# KiCad board panel_32x32_1515_r0.1.kicad_pcb
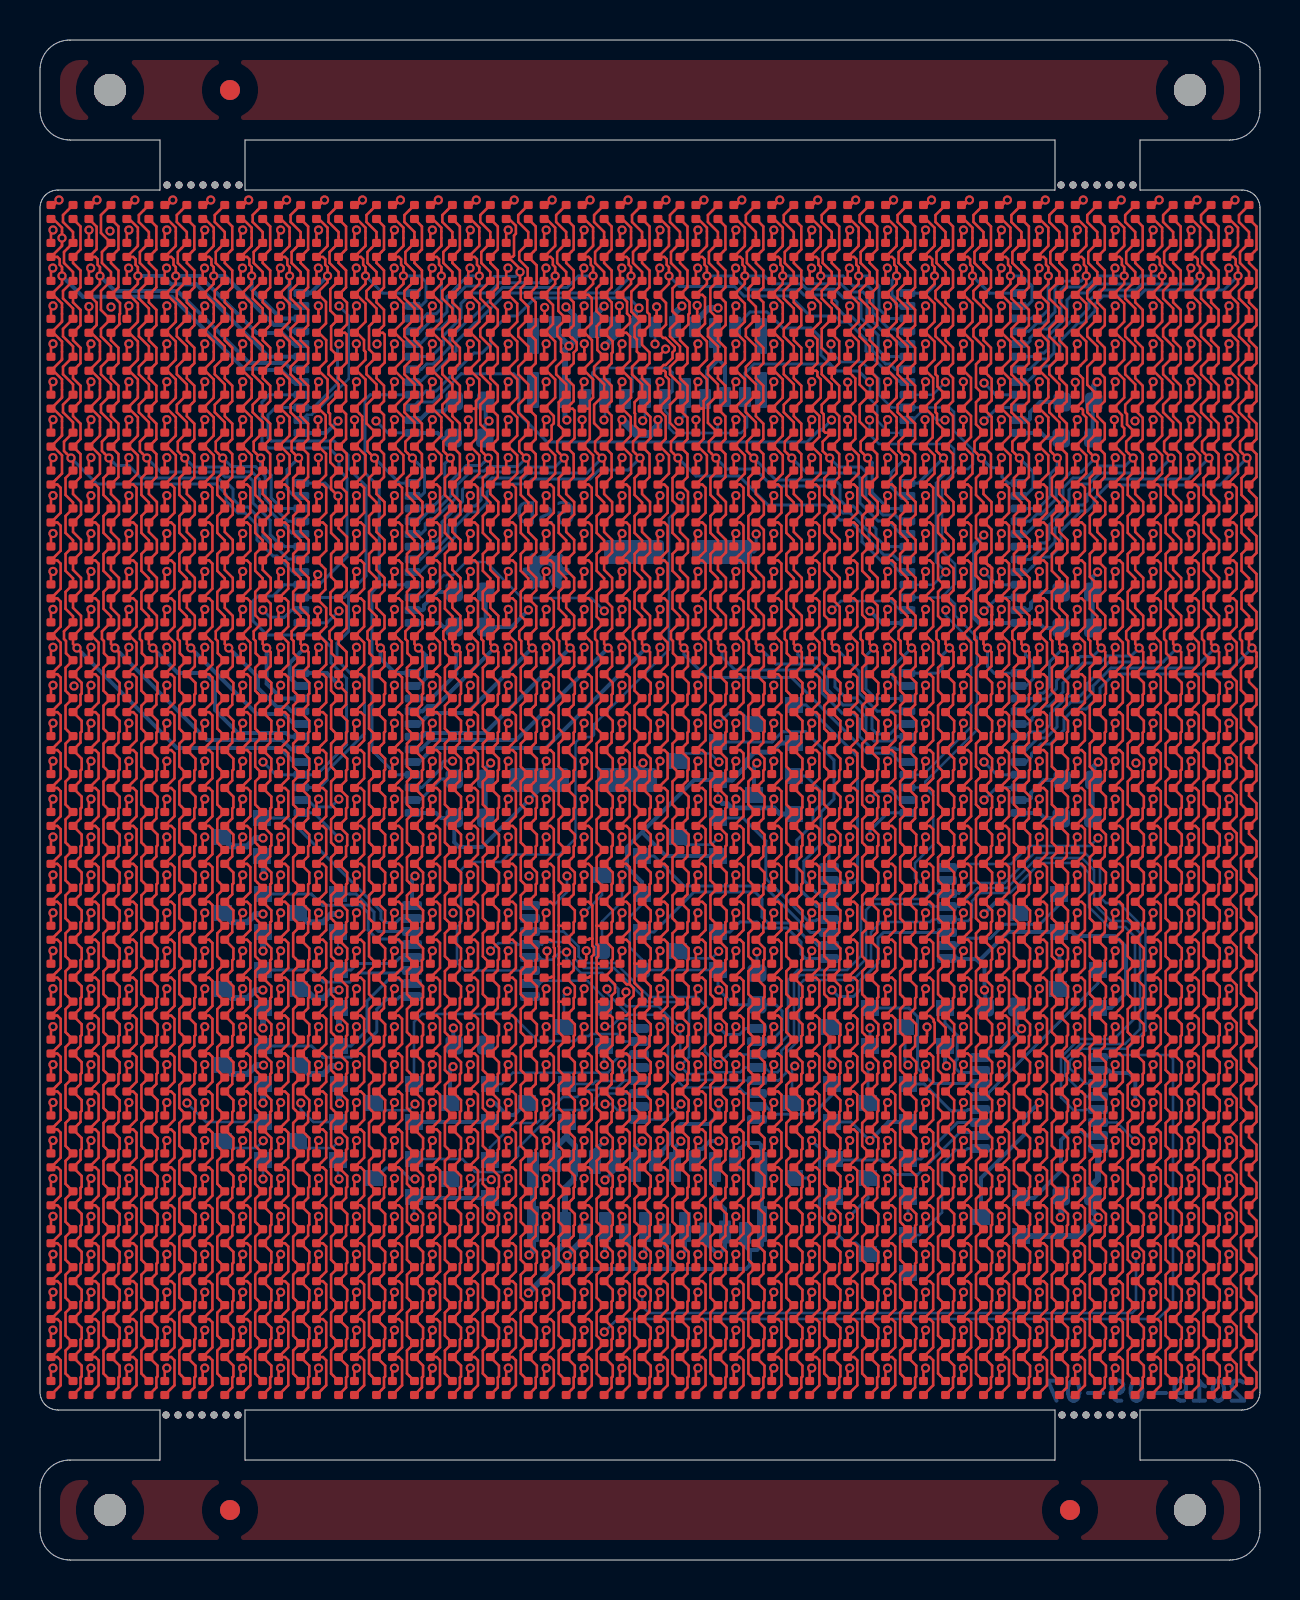
[diagram p0: board, top side]
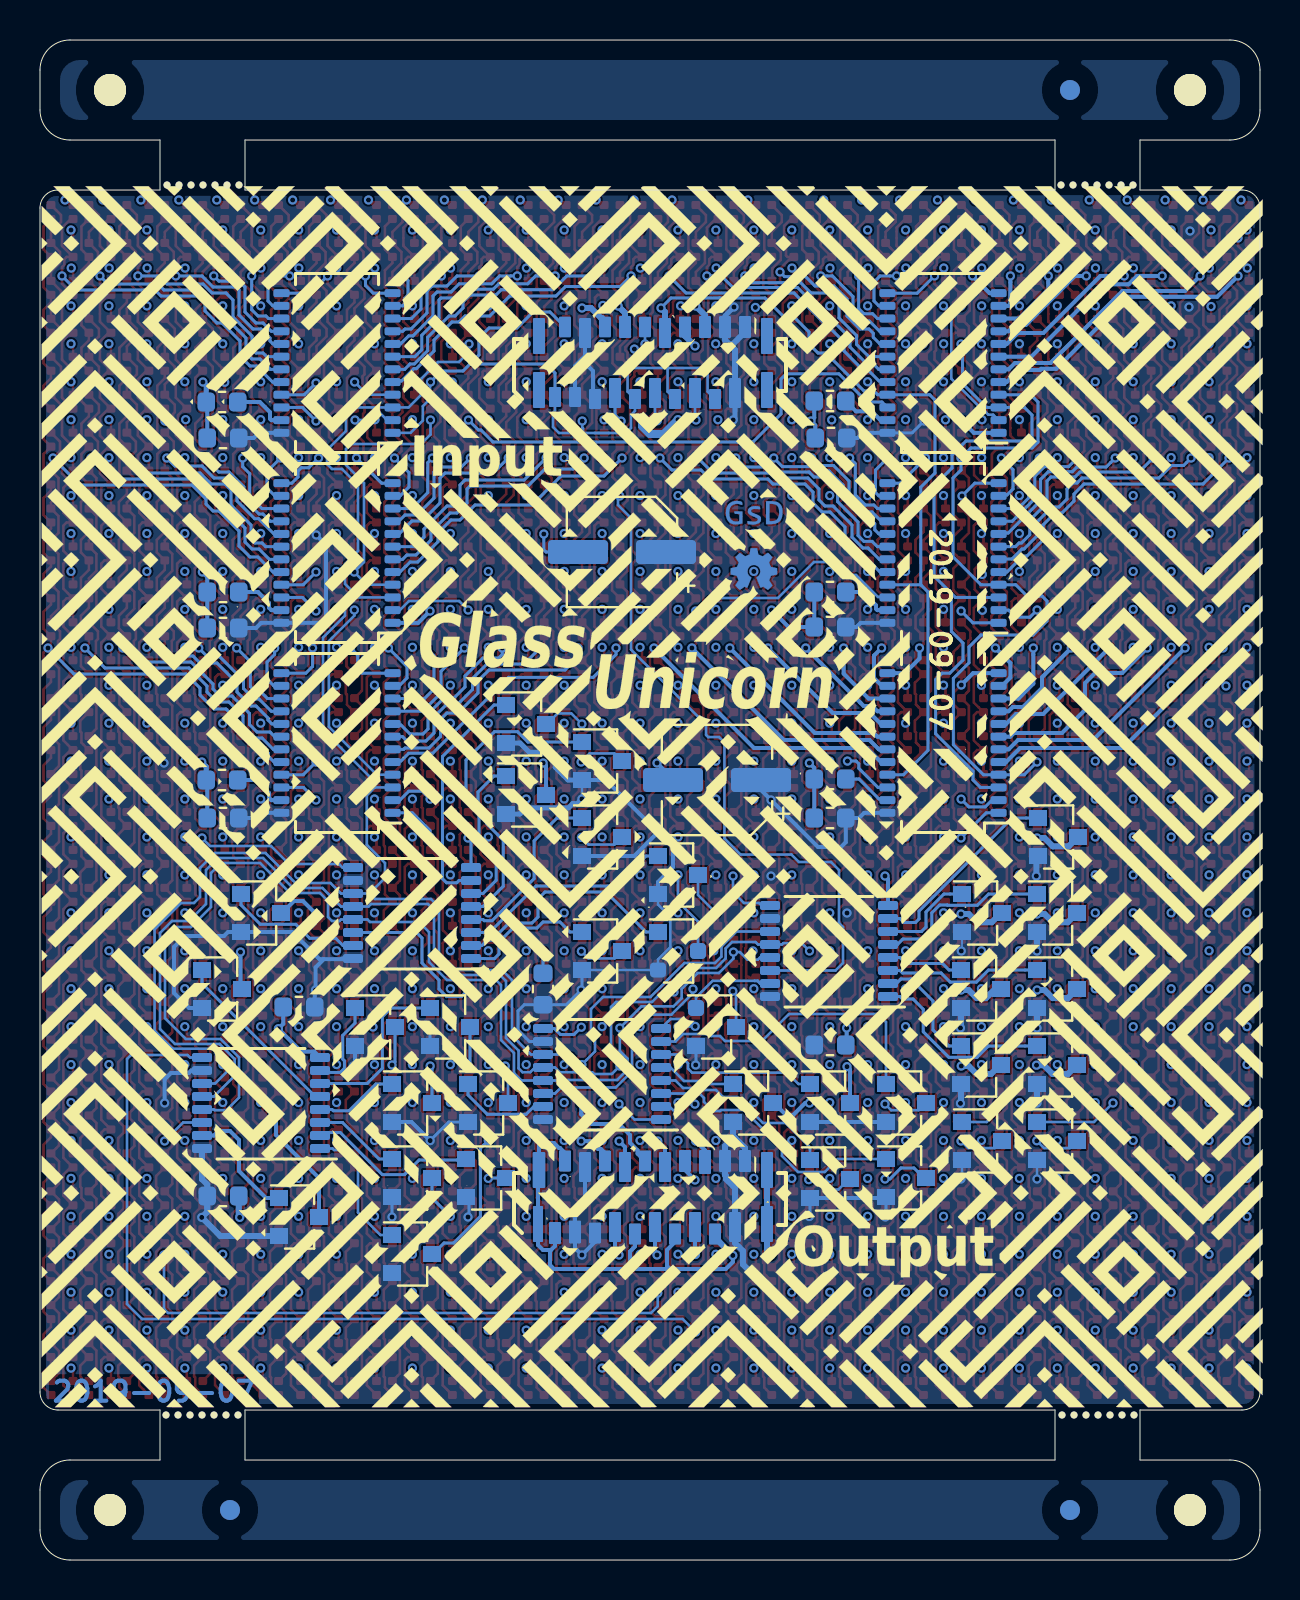
[diagram p1: board, bottom side, seen from below]

Outline 61 x 76 mm; copper layers: Top, In1.Cu, In2.Cu, Bottom. Coordinates in mm from the lower left corner of the outline.
Outline path: 0,74.5 0,72.5 arc(0.44,71.44) 1.5,71 6,71 6,68.5 0.9,68.5 arc(0.26,68.24) 0,67.6 0,8.4 arc(0.26,7.76) 0.9,7.5 6,7.5 6,5 1.5,5 arc(0.44,4.56) 0,3.5 0,1.5 arc(0.44,0.44) 1.5,0 59.5,0 arc(60.56,0.44) 61,1.5 61,3.5 arc(60.56,4.56) 59.5,5 55,5 55,7.5 60.1,7.5 arc(60.74,7.76) 61,8.4 61,67.6 arc(60.74,68.24) 60.1,68.5 55,68.5 55,71 59.5,71 arc(60.56,71.44) 61,72.5 61,74.5 arc(60.56,75.56) 59.5,76 1.5,76 arc(0.44,75.56) 0,74.5 ; 10.25,71 10.25,68.5 50.75,68.5 50.75,71 10.25,71 ; 10.25,5 10.25,7.5 50.75,7.5 50.75,5 10.25,5

## Placement (name value [footprint] x y rotation side)
C1  100uF  [CP_Elec_5x3.9]  27.15 39 0 bottom
C2  100uF  [CP_Elec_5x3.9]  31.9 50.4 0 bottom
C3  100nF  [C_0603_1608Metric]  21.5 25.75 180 bottom
C4  100nF  [C_0603_1608Metric]  35.85 28.55 90 bottom
C5  100nF  [C_0603_1608Metric]  51.85 18.2 180 bottom
C6  100nF  [C_0603_1608Metric]  48.05 27.65 0 bottom
C7  100nF  [C_0603_1608Metric]  21.45 56.1 0 bottom
C8  100nF  [C_0603_1608Metric]  51.85 56.1 0 bottom
C9  100nF  [C_0603_1608Metric]  21.5 46.65 0 bottom
C10  100nF  [C_0603_1608Metric]  51.85 46.6 0 bottom
C11  100nF  [C_0603_1608Metric]  21.5 37.1 0 bottom
C12  100nF  [C_0603_1608Metric]  51.85 37.1 0 bottom
D1  LED_ARGB  [led_rbag_1515_dense]  1.1 67.4 0 top
D2  LED_ARGB  [led_rbag_1515_dense]  3 67.4 0 top
D3  LED_ARGB  [led_rbag_1515_dense]  4.89 67.4 0 top
D4  LED_ARGB  [led_rbag_1515_dense]  6.79 67.4 0 top
D5  LED_ARGB  [led_rbag_1515_dense]  8.69 67.4 0 top
D6  LED_ARGB  [led_rbag_1515_dense]  10.58 67.4 0 top
D7  LED_ARGB  [led_rbag_1515_dense]  12.48 67.4 0 top
D8  LED_ARGB  [led_rbag_1515_dense]  14.38 67.4 0 top
D9  LED_ARGB  [led_rbag_1515_dense]  16.27 67.4 0 top
D10  LED_ARGB  [led_rbag_1515_dense]  18.17 67.4 0 top
D11  LED_ARGB  [led_rbag_1515_dense]  20.07 67.4 0 top
D12  LED_ARGB  [led_rbag_1515_dense]  21.96 67.4 0 top
D13  LED_ARGB  [led_rbag_1515_dense]  23.86 67.4 0 top
D14  LED_ARGB  [led_rbag_1515_dense]  25.76 67.4 0 top
D15  LED_ARGB  [led_rbag_1515_dense]  27.65 67.4 0 top
D16  LED_ARGB  [led_rbag_1515_dense]  29.55 67.4 0 top
D17  LED_ARGB  [led_rbag_1515_dense]  31.45 67.4 0 top
D18  LED_ARGB  [led_rbag_1515_dense]  33.35 67.4 0 top
D19  LED_ARGB  [led_rbag_1515_dense]  35.24 67.4 0 top
D20  LED_ARGB  [led_rbag_1515_dense]  37.14 67.4 0 top
D21  LED_ARGB  [led_rbag_1515_dense]  39.04 67.4 0 top
D22  LED_ARGB  [led_rbag_1515_dense]  40.93 67.4 0 top
D23  LED_ARGB  [led_rbag_1515_dense]  42.83 67.4 0 top
D24  LED_ARGB  [led_rbag_1515_dense]  44.73 67.4 0 top
D25  LED_ARGB  [led_rbag_1515_dense]  46.62 67.4 0 top
D26  LED_ARGB  [led_rbag_1515_dense]  48.52 67.4 0 top
D27  LED_ARGB  [led_rbag_1515_dense]  50.42 67.4 0 top
D28  LED_ARGB  [led_rbag_1515_dense]  52.31 67.4 0 top
D29  LED_ARGB  [led_rbag_1515_dense]  54.21 67.4 0 top
D30  LED_ARGB  [led_rbag_1515_dense]  56.11 67.4 0 top
D31  LED_ARGB  [led_rbag_1515_dense]  58 67.4 0 top
D32  LED_ARGB  [led_rbag_1515_dense]  59.9 67.4 0 top
D33  LED_ARGB  [led_rbag_1515_dense]  1.1 65.5 0 top
D34  LED_ARGB  [led_rbag_1515_dense]  3 65.5 0 top
D35  LED_ARGB  [led_rbag_1515_dense]  4.89 65.5 0 top
D36  LED_ARGB  [led_rbag_1515_dense]  6.79 65.5 0 top
D37  LED_ARGB  [led_rbag_1515_dense]  8.69 65.5 0 top
D38  LED_ARGB  [led_rbag_1515_dense]  10.58 65.5 0 top
D39  LED_ARGB  [led_rbag_1515_dense]  12.48 65.5 0 top
D40  LED_ARGB  [led_rbag_1515_dense]  14.38 65.5 0 top
D41  LED_ARGB  [led_rbag_1515_dense]  16.27 65.5 0 top
D42  LED_ARGB  [led_rbag_1515_dense]  18.17 65.5 0 top
D43  LED_ARGB  [led_rbag_1515_dense]  20.07 65.5 0 top
D44  LED_ARGB  [led_rbag_1515_dense]  21.96 65.5 0 top
D45  LED_ARGB  [led_rbag_1515_dense]  23.86 65.5 0 top
D46  LED_ARGB  [led_rbag_1515_dense]  25.76 65.5 0 top
D47  LED_ARGB  [led_rbag_1515_dense]  27.65 65.5 0 top
D48  LED_ARGB  [led_rbag_1515_dense]  29.55 65.5 0 top
D49  LED_ARGB  [led_rbag_1515_dense]  31.45 65.5 0 top
D50  LED_ARGB  [led_rbag_1515_dense]  33.35 65.5 0 top
D51  LED_ARGB  [led_rbag_1515_dense]  35.24 65.5 0 top
D52  LED_ARGB  [led_rbag_1515_dense]  37.14 65.5 0 top
D53  LED_ARGB  [led_rbag_1515_dense]  39.04 65.5 0 top
D54  LED_ARGB  [led_rbag_1515_dense]  40.93 65.5 0 top
D55  LED_ARGB  [led_rbag_1515_dense]  42.83 65.5 0 top
D56  LED_ARGB  [led_rbag_1515_dense]  44.73 65.5 0 top
D57  LED_ARGB  [led_rbag_1515_dense]  46.62 65.5 0 top
D58  LED_ARGB  [led_rbag_1515_dense]  48.52 65.5 0 top
D59  LED_ARGB  [led_rbag_1515_dense]  50.42 65.5 0 top
D60  LED_ARGB  [led_rbag_1515_dense]  52.31 65.5 0 top
D61  LED_ARGB  [led_rbag_1515_dense]  54.21 65.5 0 top
D62  LED_ARGB  [led_rbag_1515_dense]  56.11 65.5 0 top
D63  LED_ARGB  [led_rbag_1515_dense]  58 65.5 0 top
D64  LED_ARGB  [led_rbag_1515_dense]  59.9 65.5 0 top
D65  LED_ARGB  [led_rbag_1515_dense]  1.1 63.61 0 top
D66  LED_ARGB  [led_rbag_1515_dense]  3 63.61 0 top
D67  LED_ARGB  [led_rbag_1515_dense]  4.89 63.61 0 top
D68  LED_ARGB  [led_rbag_1515_dense]  6.79 63.61 0 top
D69  LED_ARGB  [led_rbag_1515_dense]  8.69 63.61 0 top
D70  LED_ARGB  [led_rbag_1515_dense]  10.58 63.61 0 top
D71  LED_ARGB  [led_rbag_1515_dense]  12.48 63.61 0 top
D72  LED_ARGB  [led_rbag_1515_dense]  14.38 63.61 0 top
D73  LED_ARGB  [led_rbag_1515_dense]  16.27 63.61 0 top
D74  LED_ARGB  [led_rbag_1515_dense]  18.17 63.61 0 top
D75  LED_ARGB  [led_rbag_1515_dense]  20.07 63.61 0 top
D76  LED_ARGB  [led_rbag_1515_dense]  21.96 63.61 0 top
D77  LED_ARGB  [led_rbag_1515_dense]  23.86 63.61 0 top
D78  LED_ARGB  [led_rbag_1515_dense]  25.76 63.61 0 top
D79  LED_ARGB  [led_rbag_1515_dense]  27.65 63.61 0 top
D80  LED_ARGB  [led_rbag_1515_dense]  29.55 63.61 0 top
D81  LED_ARGB  [led_rbag_1515_dense]  31.45 63.61 0 top
D82  LED_ARGB  [led_rbag_1515_dense]  33.35 63.61 0 top
D83  LED_ARGB  [led_rbag_1515_dense]  35.24 63.61 0 top
D84  LED_ARGB  [led_rbag_1515_dense]  37.14 63.61 0 top
D85  LED_ARGB  [led_rbag_1515_dense]  39.04 63.61 0 top
D86  LED_ARGB  [led_rbag_1515_dense]  40.93 63.61 0 top
D87  LED_ARGB  [led_rbag_1515_dense]  42.83 63.61 0 top
D88  LED_ARGB  [led_rbag_1515_dense]  44.73 63.61 0 top
D89  LED_ARGB  [led_rbag_1515_dense]  46.62 63.61 0 top
D90  LED_ARGB  [led_rbag_1515_dense]  48.52 63.61 0 top
D91  LED_ARGB  [led_rbag_1515_dense]  50.42 63.61 0 top
D92  LED_ARGB  [led_rbag_1515_dense]  52.31 63.61 0 top
D93  LED_ARGB  [led_rbag_1515_dense]  54.21 63.61 0 top
D94  LED_ARGB  [led_rbag_1515_dense]  56.11 63.61 0 top
D95  LED_ARGB  [led_rbag_1515_dense]  58 63.61 0 top
D96  LED_ARGB  [led_rbag_1515_dense]  59.9 63.61 0 top
D97  LED_ARGB  [led_rbag_1515_dense]  1.1 61.71 0 top
D98  LED_ARGB  [led_rbag_1515_dense]  3 61.71 0 top
D99  LED_ARGB  [led_rbag_1515_dense]  4.89 61.71 0 top
D100  LED_ARGB  [led_rbag_1515_dense]  6.79 61.71 0 top
D101  LED_ARGB  [led_rbag_1515_dense]  8.69 61.71 0 top
D102  LED_ARGB  [led_rbag_1515_dense]  10.58 61.71 0 top
D103  LED_ARGB  [led_rbag_1515_dense]  12.48 61.71 0 top
D104  LED_ARGB  [led_rbag_1515_dense]  14.38 61.71 0 top
D105  LED_ARGB  [led_rbag_1515_dense]  16.27 61.71 0 top
D106  LED_ARGB  [led_rbag_1515_dense]  18.17 61.71 0 top
D107  LED_ARGB  [led_rbag_1515_dense]  20.07 61.71 0 top
D108  LED_ARGB  [led_rbag_1515_dense]  21.96 61.71 0 top
D109  LED_ARGB  [led_rbag_1515_dense]  23.86 61.71 0 top
D110  LED_ARGB  [led_rbag_1515_dense]  25.76 61.71 0 top
D111  LED_ARGB  [led_rbag_1515_dense]  27.65 61.71 0 top
D112  LED_ARGB  [led_rbag_1515_dense]  29.55 61.71 0 top
D113  LED_ARGB  [led_rbag_1515_dense]  31.45 61.71 0 top
D114  LED_ARGB  [led_rbag_1515_dense]  33.35 61.71 0 top
D115  LED_ARGB  [led_rbag_1515_dense]  35.24 61.71 0 top
D116  LED_ARGB  [led_rbag_1515_dense]  37.14 61.71 0 top
D117  LED_ARGB  [led_rbag_1515_dense]  39.04 61.71 0 top
D118  LED_ARGB  [led_rbag_1515_dense]  40.93 61.71 0 top
D119  LED_ARGB  [led_rbag_1515_dense]  42.83 61.71 0 top
D120  LED_ARGB  [led_rbag_1515_dense]  44.73 61.71 0 top
D121  LED_ARGB  [led_rbag_1515_dense]  46.62 61.71 0 top
D122  LED_ARGB  [led_rbag_1515_dense]  48.52 61.71 0 top
D123  LED_ARGB  [led_rbag_1515_dense]  50.42 61.71 0 top
D124  LED_ARGB  [led_rbag_1515_dense]  52.31 61.71 0 top
D125  LED_ARGB  [led_rbag_1515_dense]  54.21 61.71 0 top
D126  LED_ARGB  [led_rbag_1515_dense]  56.11 61.71 0 top
D127  LED_ARGB  [led_rbag_1515_dense]  58 61.71 0 top
D128  LED_ARGB  [led_rbag_1515_dense]  59.9 61.71 0 top
D129  LED_ARGB  [led_rbag_1515_dense]  1.1 59.81 0 top
D130  LED_ARGB  [led_rbag_1515_dense]  3 59.81 0 top
D131  LED_ARGB  [led_rbag_1515_dense]  4.89 59.81 0 top
D132  LED_ARGB  [led_rbag_1515_dense]  6.79 59.81 0 top
D133  LED_ARGB  [led_rbag_1515_dense]  8.69 59.81 0 top
D134  LED_ARGB  [led_rbag_1515_dense]  10.58 59.81 0 top
D135  LED_ARGB  [led_rbag_1515_dense]  12.48 59.81 0 top
D136  LED_ARGB  [led_rbag_1515_dense]  14.38 59.81 0 top
D137  LED_ARGB  [led_rbag_1515_dense]  16.27 59.81 0 top
D138  LED_ARGB  [led_rbag_1515_dense]  18.17 59.81 0 top
D139  LED_ARGB  [led_rbag_1515_dense]  20.07 59.81 0 top
D140  LED_ARGB  [led_rbag_1515_dense]  21.96 59.81 0 top
D141  LED_ARGB  [led_rbag_1515_dense]  23.86 59.81 0 top
D142  LED_ARGB  [led_rbag_1515_dense]  25.76 59.81 0 top
D143  LED_ARGB  [led_rbag_1515_dense]  27.65 59.81 0 top
D144  LED_ARGB  [led_rbag_1515_dense]  29.55 59.81 0 top
D145  LED_ARGB  [led_rbag_1515_dense]  31.45 59.81 0 top
D146  LED_ARGB  [led_rbag_1515_dense]  33.35 59.81 0 top
D147  LED_ARGB  [led_rbag_1515_dense]  35.24 59.81 0 top
D148  LED_ARGB  [led_rbag_1515_dense]  37.14 59.81 0 top
D149  LED_ARGB  [led_rbag_1515_dense]  39.04 59.81 0 top
D150  LED_ARGB  [led_rbag_1515_dense]  40.93 59.81 0 top
D151  LED_ARGB  [led_rbag_1515_dense]  42.83 59.81 0 top
D152  LED_ARGB  [led_rbag_1515_dense]  44.73 59.81 0 top
D153  LED_ARGB  [led_rbag_1515_dense]  46.62 59.81 0 top
D154  LED_ARGB  [led_rbag_1515_dense]  48.52 59.81 0 top
D155  LED_ARGB  [led_rbag_1515_dense]  50.42 59.81 0 top
D156  LED_ARGB  [led_rbag_1515_dense]  52.31 59.81 0 top
D157  LED_ARGB  [led_rbag_1515_dense]  54.21 59.81 0 top
D158  LED_ARGB  [led_rbag_1515_dense]  56.11 59.81 0 top
D159  LED_ARGB  [led_rbag_1515_dense]  58 59.81 0 top
D160  LED_ARGB  [led_rbag_1515_dense]  59.9 59.81 0 top
D161  LED_ARGB  [led_rbag_1515_dense]  1.1 57.92 0 top
D162  LED_ARGB  [led_rbag_1515_dense]  3 57.92 0 top
D163  LED_ARGB  [led_rbag_1515_dense]  4.89 57.92 0 top
D164  LED_ARGB  [led_rbag_1515_dense]  6.79 57.92 0 top
D165  LED_ARGB  [led_rbag_1515_dense]  8.69 57.92 0 top
D166  LED_ARGB  [led_rbag_1515_dense]  10.58 57.92 0 top
D167  LED_ARGB  [led_rbag_1515_dense]  12.48 57.92 0 top
D168  LED_ARGB  [led_rbag_1515_dense]  14.38 57.92 0 top
D169  LED_ARGB  [led_rbag_1515_dense]  16.27 57.92 0 top
D170  LED_ARGB  [led_rbag_1515_dense]  18.17 57.92 0 top
D171  LED_ARGB  [led_rbag_1515_dense]  20.07 57.92 0 top
D172  LED_ARGB  [led_rbag_1515_dense]  21.96 57.92 0 top
D173  LED_ARGB  [led_rbag_1515_dense]  23.86 57.92 0 top
D174  LED_ARGB  [led_rbag_1515_dense]  25.76 57.92 0 top
D175  LED_ARGB  [led_rbag_1515_dense]  27.65 57.92 0 top
D176  LED_ARGB  [led_rbag_1515_dense]  29.55 57.92 0 top
D177  LED_ARGB  [led_rbag_1515_dense]  31.45 57.92 0 top
D178  LED_ARGB  [led_rbag_1515_dense]  33.35 57.92 0 top
D179  LED_ARGB  [led_rbag_1515_dense]  35.24 57.92 0 top
D180  LED_ARGB  [led_rbag_1515_dense]  37.14 57.92 0 top
D181  LED_ARGB  [led_rbag_1515_dense]  39.04 57.92 0 top
D182  LED_ARGB  [led_rbag_1515_dense]  40.93 57.92 0 top
D183  LED_ARGB  [led_rbag_1515_dense]  42.83 57.92 0 top
D184  LED_ARGB  [led_rbag_1515_dense]  44.73 57.92 0 top
D185  LED_ARGB  [led_rbag_1515_dense]  46.62 57.92 0 top
D186  LED_ARGB  [led_rbag_1515_dense]  48.52 57.92 0 top
D187  LED_ARGB  [led_rbag_1515_dense]  50.42 57.92 0 top
D188  LED_ARGB  [led_rbag_1515_dense]  52.31 57.92 0 top
D189  LED_ARGB  [led_rbag_1515_dense]  54.21 57.92 0 top
D190  LED_ARGB  [led_rbag_1515_dense]  56.11 57.92 0 top
D191  LED_ARGB  [led_rbag_1515_dense]  58 57.92 0 top
D192  LED_ARGB  [led_rbag_1515_dense]  59.9 57.92 0 top
D193  LED_ARGB  [led_rbag_1515_dense]  1.1 56.02 0 top
D194  LED_ARGB  [led_rbag_1515_dense]  3 56.02 0 top
D195  LED_ARGB  [led_rbag_1515_dense]  4.89 56.02 0 top
D196  LED_ARGB  [led_rbag_1515_dense]  6.79 56.02 0 top
D197  LED_ARGB  [led_rbag_1515_dense]  8.69 56.02 0 top
D198  LED_ARGB  [led_rbag_1515_dense]  10.58 56.02 0 top
D199  LED_ARGB  [led_rbag_1515_dense]  12.48 56.02 0 top
D200  LED_ARGB  [led_rbag_1515_dense]  14.38 56.02 0 top
D201  LED_ARGB  [led_rbag_1515_dense]  16.27 56.02 0 top
D202  LED_ARGB  [led_rbag_1515_dense]  18.17 56.02 0 top
D203  LED_ARGB  [led_rbag_1515_dense]  20.07 56.02 0 top
D204  LED_ARGB  [led_rbag_1515_dense]  21.96 56.02 0 top
D205  LED_ARGB  [led_rbag_1515_dense]  23.86 56.02 0 top
D206  LED_ARGB  [led_rbag_1515_dense]  25.76 56.02 0 top
D207  LED_ARGB  [led_rbag_1515_dense]  27.65 56.02 0 top
D208  LED_ARGB  [led_rbag_1515_dense]  29.55 56.02 0 top
D209  LED_ARGB  [led_rbag_1515_dense]  31.45 56.02 0 top
D210  LED_ARGB  [led_rbag_1515_dense]  33.35 56.02 0 top
D211  LED_ARGB  [led_rbag_1515_dense]  35.24 56.02 0 top
D212  LED_ARGB  [led_rbag_1515_dense]  37.14 56.02 0 top
D213  LED_ARGB  [led_rbag_1515_dense]  39.04 56.02 0 top
D214  LED_ARGB  [led_rbag_1515_dense]  40.93 56.02 0 top
D215  LED_ARGB  [led_rbag_1515_dense]  42.83 56.02 0 top
D216  LED_ARGB  [led_rbag_1515_dense]  44.73 56.02 0 top
D217  LED_ARGB  [led_rbag_1515_dense]  46.62 56.02 0 top
D218  LED_ARGB  [led_rbag_1515_dense]  48.52 56.02 0 top
D219  LED_ARGB  [led_rbag_1515_dense]  50.42 56.02 0 top
D220  LED_ARGB  [led_rbag_1515_dense]  52.31 56.02 0 top
D221  LED_ARGB  [led_rbag_1515_dense]  54.21 56.02 0 top
D222  LED_ARGB  [led_rbag_1515_dense]  56.11 56.02 0 top
D223  LED_ARGB  [led_rbag_1515_dense]  58 56.02 0 top
D224  LED_ARGB  [led_rbag_1515_dense]  59.9 56.02 0 top
D225  LED_ARGB  [led_rbag_1515_dense]  1.1 54.12 0 top
D226  LED_ARGB  [led_rbag_1515_dense]  3 54.12 0 top
D227  LED_ARGB  [led_rbag_1515_dense]  4.89 54.12 0 top
D228  LED_ARGB  [led_rbag_1515_dense]  6.79 54.12 0 top
D229  LED_ARGB  [led_rbag_1515_dense]  8.69 54.12 0 top
D230  LED_ARGB  [led_rbag_1515_dense]  10.58 54.12 0 top
D231  LED_ARGB  [led_rbag_1515_dense]  12.48 54.12 0 top
D232  LED_ARGB  [led_rbag_1515_dense]  14.38 54.12 0 top
D233  LED_ARGB  [led_rbag_1515_dense]  16.27 54.12 0 top
D234  LED_ARGB  [led_rbag_1515_dense]  18.17 54.12 0 top
D235  LED_ARGB  [led_rbag_1515_dense]  20.07 54.12 0 top
D236  LED_ARGB  [led_rbag_1515_dense]  21.96 54.12 0 top
D237  LED_ARGB  [led_rbag_1515_dense]  23.86 54.12 0 top
D238  LED_ARGB  [led_rbag_1515_dense]  25.76 54.12 0 top
D239  LED_ARGB  [led_rbag_1515_dense]  27.65 54.12 0 top
D240  LED_ARGB  [led_rbag_1515_dense]  29.55 54.12 0 top
D241  LED_ARGB  [led_rbag_1515_dense]  31.45 54.12 0 top
D242  LED_ARGB  [led_rbag_1515_dense]  33.35 54.12 0 top
D243  LED_ARGB  [led_rbag_1515_dense]  35.24 54.12 0 top
D244  LED_ARGB  [led_rbag_1515_dense]  37.14 54.12 0 top
D245  LED_ARGB  [led_rbag_1515_dense]  39.04 54.12 0 top
D246  LED_ARGB  [led_rbag_1515_dense]  40.93 54.12 0 top
D247  LED_ARGB  [led_rbag_1515_dense]  42.83 54.12 0 top
D248  LED_ARGB  [led_rbag_1515_dense]  44.73 54.12 0 top
D249  LED_ARGB  [led_rbag_1515_dense]  46.62 54.12 0 top
D250  LED_ARGB  [led_rbag_1515_dense]  48.52 54.12 0 top
D251  LED_ARGB  [led_rbag_1515_dense]  50.42 54.12 0 top
D252  LED_ARGB  [led_rbag_1515_dense]  52.31 54.12 0 top
D253  LED_ARGB  [led_rbag_1515_dense]  54.21 54.12 0 top
D254  LED_ARGB  [led_rbag_1515_dense]  56.11 54.12 0 top
D255  LED_ARGB  [led_rbag_1515_dense]  58 54.12 0 top
D256  LED_ARGB  [led_rbag_1515_dense]  59.9 54.12 0 top
D257  LED_ARGB  [led_rbag_1515_dense]  1.1 52.23 0 top
D258  LED_ARGB  [led_rbag_1515_dense]  3 52.23 0 top
D259  LED_ARGB  [led_rbag_1515_dense]  4.89 52.23 0 top
D260  LED_ARGB  [led_rbag_1515_dense]  6.79 52.23 0 top
D261  LED_ARGB  [led_rbag_1515_dense]  8.69 52.23 0 top
D262  LED_ARGB  [led_rbag_1515_dense]  10.58 52.23 0 top
D263  LED_ARGB  [led_rbag_1515_dense]  12.48 52.23 0 top
D264  LED_ARGB  [led_rbag_1515_dense]  14.38 52.23 0 top
D265  LED_ARGB  [led_rbag_1515_dense]  16.27 52.23 0 top
D266  LED_ARGB  [led_rbag_1515_dense]  18.17 52.23 0 top
D267  LED_ARGB  [led_rbag_1515_dense]  20.07 52.23 0 top
D268  LED_ARGB  [led_rbag_1515_dense]  21.96 52.23 0 top
D269  LED_ARGB  [led_rbag_1515_dense]  23.86 52.23 0 top
D270  LED_ARGB  [led_rbag_1515_dense]  25.76 52.23 0 top
D271  LED_ARGB  [led_rbag_1515_dense]  27.65 52.23 0 top
D272  LED_ARGB  [led_rbag_1515_dense]  29.55 52.23 0 top
D273  LED_ARGB  [led_rbag_1515_dense]  31.45 52.23 0 top
D274  LED_ARGB  [led_rbag_1515_dense]  33.35 52.23 0 top
D275  LED_ARGB  [led_rbag_1515_dense]  35.24 52.23 0 top
D276  LED_ARGB  [led_rbag_1515_dense]  37.14 52.23 0 top
D277  LED_ARGB  [led_rbag_1515_dense]  39.04 52.23 0 top
D278  LED_ARGB  [led_rbag_1515_dense]  40.93 52.23 0 top
D279  LED_ARGB  [led_rbag_1515_dense]  42.83 52.23 0 top
D280  LED_ARGB  [led_rbag_1515_dense]  44.73 52.23 0 top
D281  LED_ARGB  [led_rbag_1515_dense]  46.62 52.23 0 top
D282  LED_ARGB  [led_rbag_1515_dense]  48.52 52.23 0 top
D283  LED_ARGB  [led_rbag_1515_dense]  50.42 52.23 0 top
D284  LED_ARGB  [led_rbag_1515_dense]  52.31 52.23 0 top
D285  LED_ARGB  [led_rbag_1515_dense]  54.21 52.23 0 top
D286  LED_ARGB  [led_rbag_1515_dense]  56.11 52.23 0 top
D287  LED_ARGB  [led_rbag_1515_dense]  58 52.23 0 top
D288  LED_ARGB  [led_rbag_1515_dense]  59.9 52.23 0 top
D289  LED_ARGB  [led_rbag_1515_dense]  1.1 50.33 0 top
D290  LED_ARGB  [led_rbag_1515_dense]  3 50.33 0 top
D291  LED_ARGB  [led_rbag_1515_dense]  4.89 50.33 0 top
D292  LED_ARGB  [led_rbag_1515_dense]  6.79 50.33 0 top
D293  LED_ARGB  [led_rbag_1515_dense]  8.69 50.33 0 top
D294  LED_ARGB  [led_rbag_1515_dense]  10.58 50.33 0 top
D295  LED_ARGB  [led_rbag_1515_dense]  12.48 50.33 0 top
D296  LED_ARGB  [led_rbag_1515_dense]  14.38 50.33 0 top
D297  LED_ARGB  [led_rbag_1515_dense]  16.27 50.33 0 top
D298  LED_ARGB  [led_rbag_1515_dense]  18.17 50.33 0 top
D299  LED_ARGB  [led_rbag_1515_dense]  20.07 50.33 0 top
D300  LED_ARGB  [led_rbag_1515_dense]  21.96 50.33 0 top
D301  LED_ARGB  [led_rbag_1515_dense]  23.86 50.33 0 top
D302  LED_ARGB  [led_rbag_1515_dense]  25.76 50.33 0 top
D303  LED_ARGB  [led_rbag_1515_dense]  27.65 50.33 0 top
D304  LED_ARGB  [led_rbag_1515_dense]  29.55 50.33 0 top
D305  LED_ARGB  [led_rbag_1515_dense]  31.45 50.33 0 top
D306  LED_ARGB  [led_rbag_1515_dense]  33.35 50.33 0 top
D307  LED_ARGB  [led_rbag_1515_dense]  35.24 50.33 0 top
D308  LED_ARGB  [led_rbag_1515_dense]  37.14 50.33 0 top
D309  LED_ARGB  [led_rbag_1515_dense]  39.04 50.33 0 top
D310  LED_ARGB  [led_rbag_1515_dense]  40.93 50.33 0 top
D311  LED_ARGB  [led_rbag_1515_dense]  42.83 50.33 0 top
D312  LED_ARGB  [led_rbag_1515_dense]  44.73 50.33 0 top
D313  LED_ARGB  [led_rbag_1515_dense]  46.62 50.33 0 top
D314  LED_ARGB  [led_rbag_1515_dense]  48.52 50.33 0 top
D315  LED_ARGB  [led_rbag_1515_dense]  50.42 50.33 0 top
D316  LED_ARGB  [led_rbag_1515_dense]  52.31 50.33 0 top
D317  LED_ARGB  [led_rbag_1515_dense]  54.21 50.33 0 top
D318  LED_ARGB  [led_rbag_1515_dense]  56.11 50.33 0 top
D319  LED_ARGB  [led_rbag_1515_dense]  58 50.33 0 top
D320  LED_ARGB  [led_rbag_1515_dense]  59.9 50.33 0 top
D321  LED_ARGB  [led_rbag_1515_dense]  1.1 48.43 0 top
D322  LED_ARGB  [led_rbag_1515_dense]  3 48.43 0 top
D323  LED_ARGB  [led_rbag_1515_dense]  4.89 48.43 0 top
D324  LED_ARGB  [led_rbag_1515_dense]  6.79 48.43 0 top
D325  LED_ARGB  [led_rbag_1515_dense]  8.69 48.43 0 top
D326  LED_ARGB  [led_rbag_1515_dense]  10.58 48.43 0 top
D327  LED_ARGB  [led_rbag_1515_dense]  12.48 48.43 0 top
D328  LED_ARGB  [led_rbag_1515_dense]  14.38 48.43 0 top
D329  LED_ARGB  [led_rbag_1515_dense]  16.27 48.43 0 top
D330  LED_ARGB  [led_rbag_1515_dense]  18.17 48.43 0 top
D331  LED_ARGB  [led_rbag_1515_dense]  20.07 48.43 0 top
D332  LED_ARGB  [led_rbag_1515_dense]  21.96 48.43 0 top
D333  LED_ARGB  [led_rbag_1515_dense]  23.86 48.43 0 top
D334  LED_ARGB  [led_rbag_1515_dense]  25.76 48.43 0 top
D335  LED_ARGB  [led_rbag_1515_dense]  27.65 48.43 0 top
D336  LED_ARGB  [led_rbag_1515_dense]  29.55 48.43 0 top
D337  LED_ARGB  [led_rbag_1515_dense]  31.45 48.43 0 top
D338  LED_ARGB  [led_rbag_1515_dense]  33.35 48.43 0 top
D339  LED_ARGB  [led_rbag_1515_dense]  35.24 48.43 0 top
D340  LED_ARGB  [led_rbag_1515_dense]  37.14 48.43 0 top
D341  LED_ARGB  [led_rbag_1515_dense]  39.04 48.43 0 top
D342  LED_ARGB  [led_rbag_1515_dense]  40.93 48.43 0 top
D343  LED_ARGB  [led_rbag_1515_dense]  42.83 48.43 0 top
D344  LED_ARGB  [led_rbag_1515_dense]  44.73 48.43 0 top
D345  LED_ARGB  [led_rbag_1515_dense]  46.62 48.43 0 top